# Altium PCB SupBigBrrg_0.PcbDoc (part 25 of 29)
Units mm, origin at the board's own origin, x right, y up, seen from the top; angles counter-clockwise.
Board outline 400 x 344 mm, 6 copper layers (TopLayer, PlaneGnd, PlanePwr, MidLayer3, MidLayer4, BottomLayer); 1288 components, 1323 nets, 5024 pads, 1078 vias.
Unrouted connection lines stored in the file: 1824.
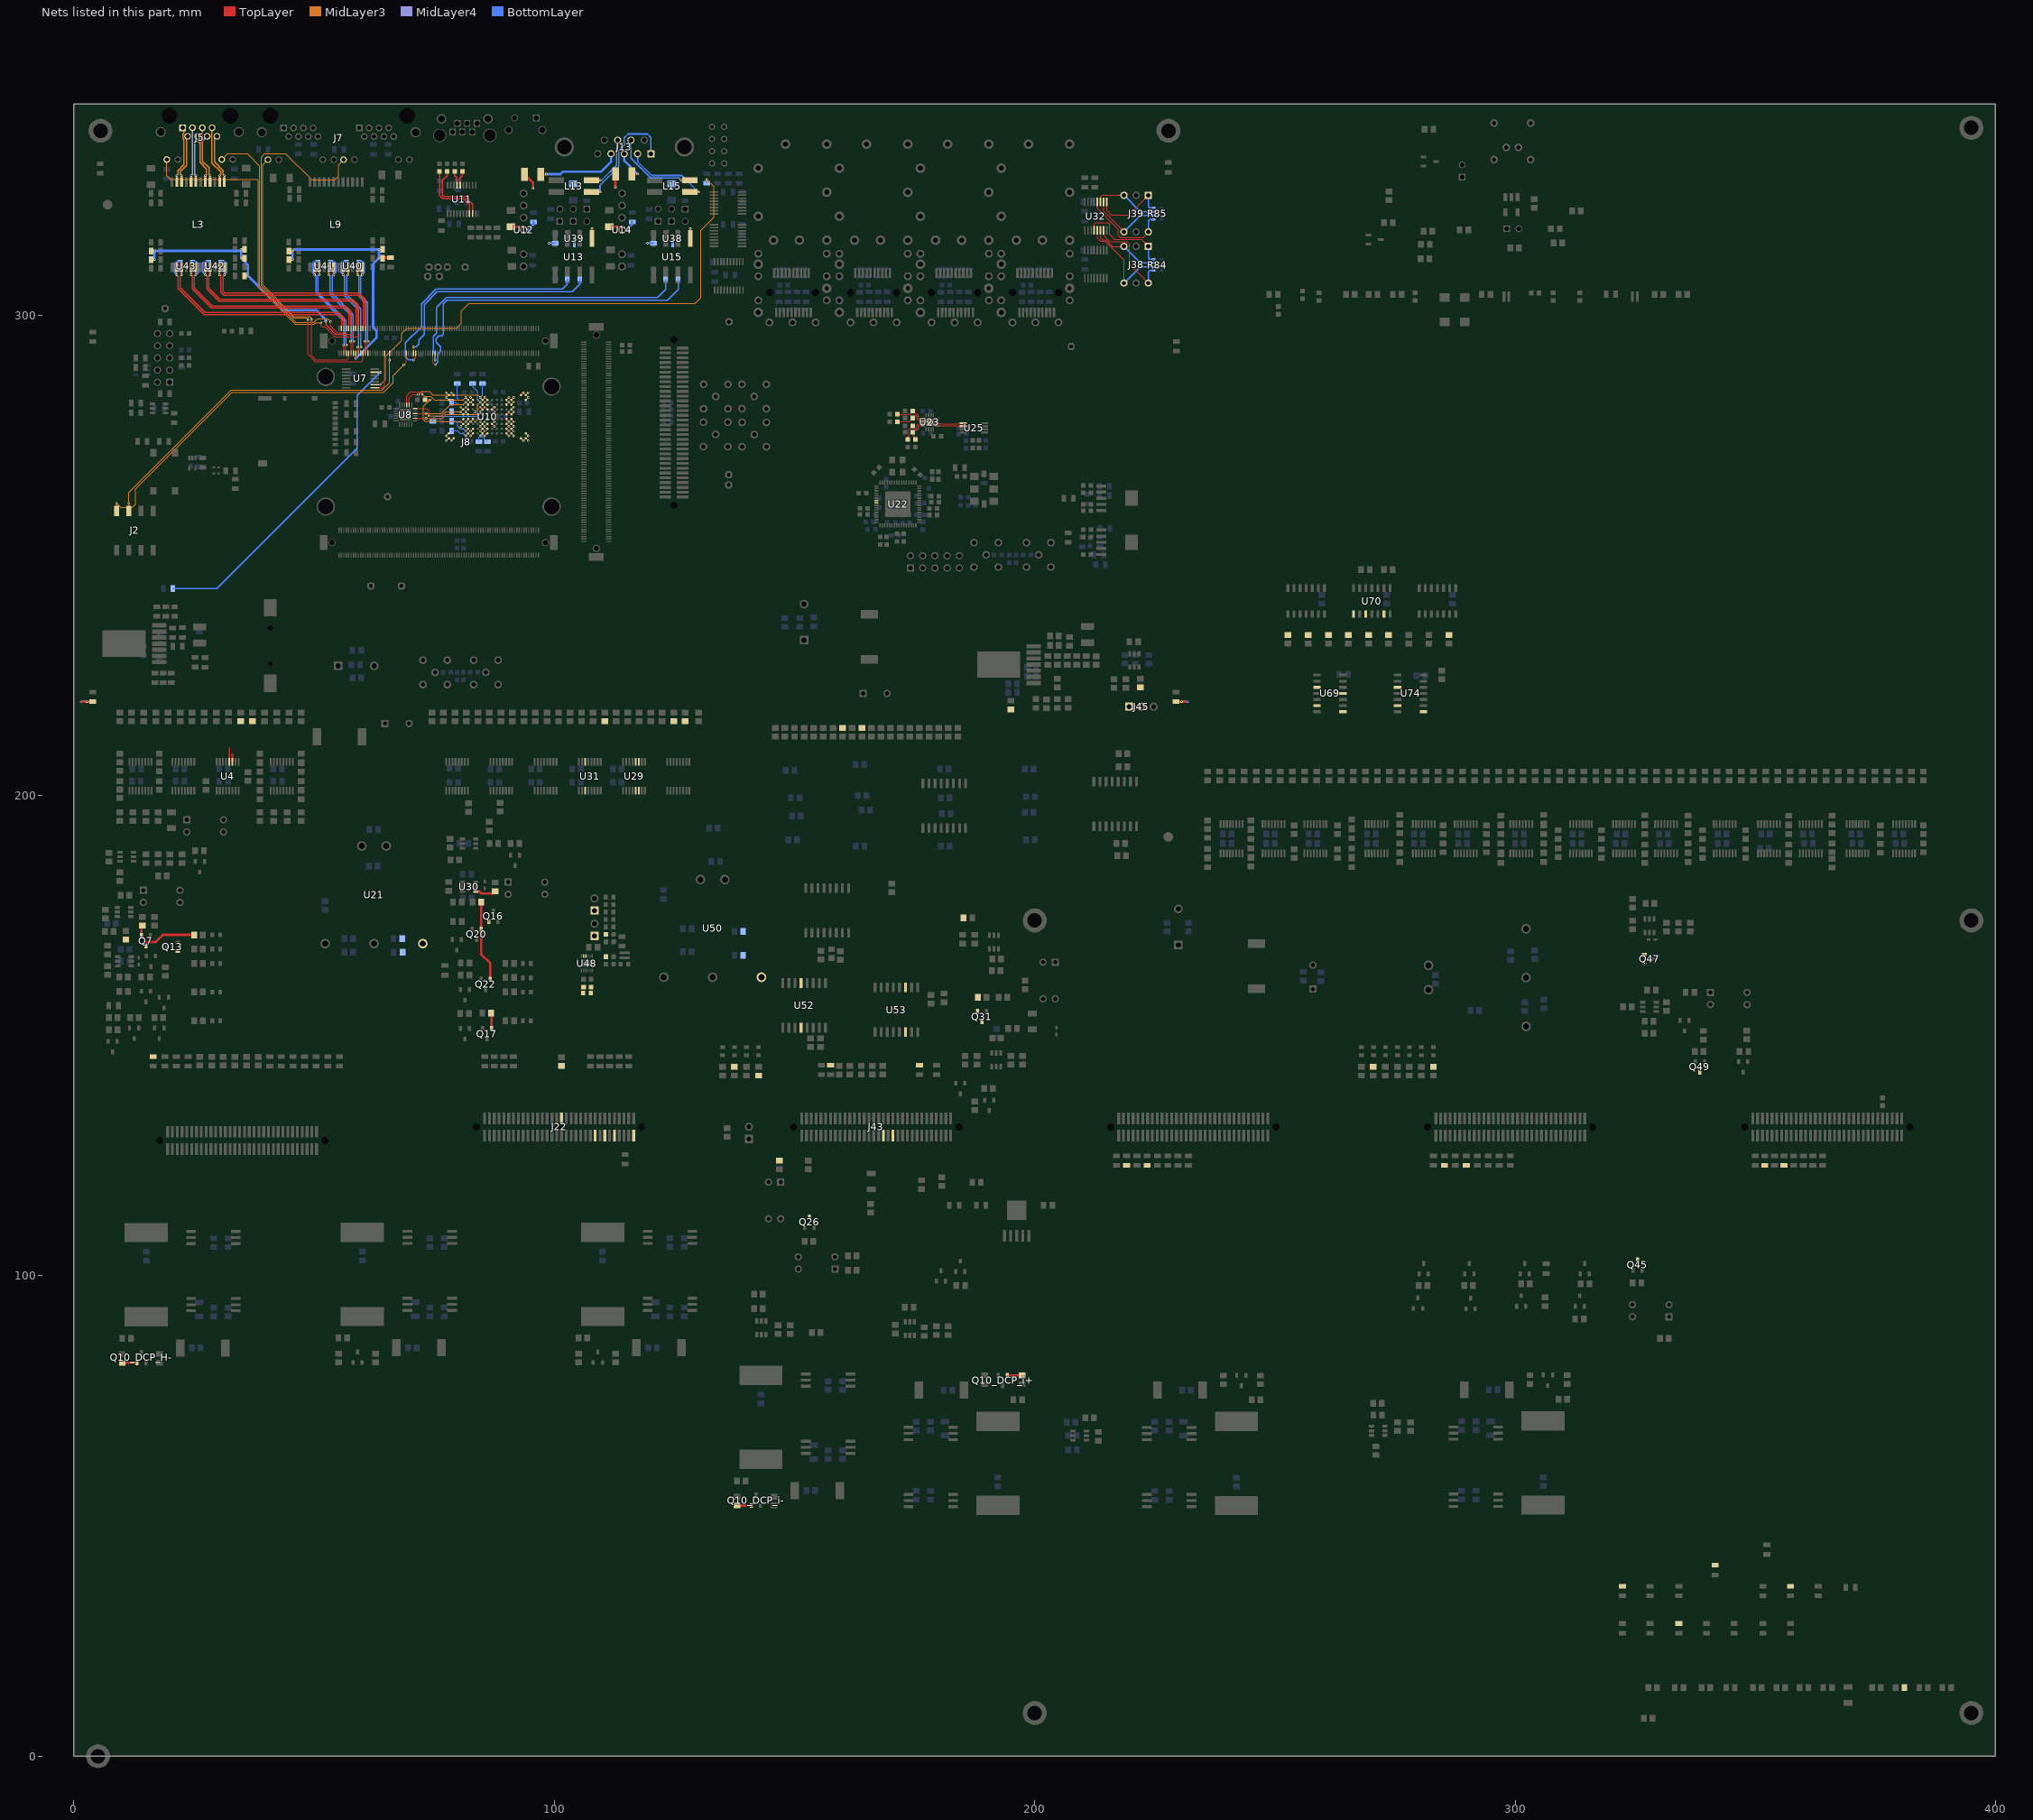
[diagram p29: the nets of this part, all layers, seen from the top]

## Via types
v1: diameter 0.5, hole 0.2, TopLayer to BottomLayer, tented both sides, 972 vias
v2: diameter 1, hole 0.5, TopLayer to BottomLayer, 104 vias
v3: diameter 0.5, hole 0.2, TopLayer to BottomLayer, 2 vias

## Nets (pads, with @x,y where several pads share a name; then routed paths per layer and width w, separated by ;. In a path a pad name is that pad's centre, name@x,y a point inside that pad or via, vN(x,y) a via of type N, cw(c..) or ccw(c..) an arc to the next point about the centre after c; other vN are vias at no path point) (continued)
-7int: L50.2 L95.2 Q26.3 R267.2
-7SL: L57.2 L69.2 L79.2 L84.2 L106.2 Q45.3 R408.2
-18H: C343.2 C344.1 Q7.2 R51.1 R104.2 U21.5 | length 2.2
  TopLayer w0.5: Q7.2@14.05,170.85 14.05,172.75 R104.2@14.25,172.95
-18Hall: L29.2 Q7.3 R114.2 | length 11.4
  TopLayer w0.5: Q7.3@15,168.65 15,169.25 15.25,169.5 17,169.5 18.5,171 R114.2@25.05,171
-18i: C287.2 C292.1 Q31.2 R320.1 R323.2 U50.5
-18int: L47.2 Q31.3 R276.2
-18SL: L55.2 L66.2 L77.2 Q49.3 R386.2
.-7SL: L98.2
\CS: R254.1 U31.14
\CSdds: J22.31 R250.1 U31.3
\En: Q13.1 Q16.1 Q47.1 R260.1 U70.8 U70.13
AQ1_N: C42.1 R58.2 U23.9 | length 6.6
  TopLayer w0.15: C42.1@171.425,279.325 173.925,279.325 R58.2@174.65,280.05 174.725,279.975 174.725,279.95 175.2,279.475 175.485,279.475 175.825,279.135 175.825,278.562 176,278.387 176.088,278.387 176.175,278.475 U23.9@176.7,278.475
AQ1_P: C41.1 R57.2 U23.10 | length 6.6
  TopLayer w0.15: C41.1@171.425,277.875 173.925,277.875 R57.2@174.65,278.6 175.2,279.15 175.35,279.15 175.5,279 175.5,278.428 175.865,278.062 176.088,278.062 176.175,277.975 U23.10@176.7,277.975
BaseAddr0: J38.1 R84.4 U32.4 | length 19.5
  TopLayer w0.15: U32.4@212.4,317.705 212.4,319.05 212.65,319.3 215.25,319.3 215.6,318.95 215.6,316.85 216.622,315.828 222.157,315.828 J38.1@223.665,314.32
  BottomLayer w0.25: J38.1@223.665,314.295 223.665,311.91 223.9,311.675 R84.4@224.725,311.675
BaseAddr1: J38.2 R84.2 U32.5 | length 21.4
  TopLayer w0.15: U32.5@213.05,317.705 213.05,316.1 213.775,315.375 214.672,315.375 218.585,311.462 J38.2@218.585,306.7
  BottomLayer w0.25: J38.2@218.585,306.675 221.985,310.075 R84.2@224.725,310.075
BaseAddr2: J38.4 R84.3 U32.6 | length 14.8
  TopLayer w0.15: U32.6@213.7,317.705 213.7,316.125 214.1,315.725 214.775,315.725 216.18,314.32 J38.4@218.585,314.32
  BottomLayer w0.25: J38.4@218.585,314.295 222.005,310.875 R84.3@224.725,310.875
BaseAddr3: J38.8 R84.1 U32.7 | length 20.4
  TopLayer w0.15: U32.7@214.35,317.705 214.35,316.625 215.65,315.325 219.125,315.325 219.725,314.725 219.725,310.64 J38.8@223.665,306.7
  BottomLayer w0.25: J38.8@223.665,306.675 223.665,308.94 224,309.275 R84.1@224.725,309.275
BaseAddr4: J39.1 R85.4 U32.9 | length 16.1
  TopLayer w0.15: U32.9@215,323.545 215,321.775 215.925,320.85 219.545,320.85 J39.1@223.665,324.97
  BottomLayer w0.25: J39.1@223.665,324.97 223.665,322.585 223.9,322.35 R85.4@224.725,322.35
BaseAddr5: J39.2 R85.2 U32.10 | length 15.5
  TopLayer w0.15: U32.10@214.35,323.545 214.35,321.585 J39.2@218.585,317.35
  BottomLayer w0.25: J39.2@218.585,317.35 221.985,320.75 R85.2@224.725,320.75
BaseAddr6: J39.4 R85.3 U32.11 | length 13.6
  TopLayer w0.15: U32.11@213.7,323.545 213.7,324.6 214.07,324.97 J39.4@218.585,324.97
  BottomLayer w0.25: J39.4@218.585,324.97 222.005,321.55 R85.3@224.725,321.55
BaseAddr7: J39.8 R85.1 U32.12 | length 19.1
  TopLayer w0.15: U32.12@213.05,323.545 213.05,322.2 217.4,317.85 217.4,316.625 217.825,316.2 222.515,316.2 J39.8@223.665,317.35
  BottomLayer w0.25: J39.8@223.665,317.35 223.665,319.615 224,319.95 R85.1@224.725,319.95
BOOT_MODE0: J2.7 J8.A126 | length 73.7
  TopLayer w0.15: v1(65.675,290.675) J8.A126@65.675,292.05
  TopLayer w0.25: J2.7@11.41,259.275 v1(11.41,260.845)
  MidLayer3 w0.15: v1(11.41,260.845) 11.41,263.064 32.771,284.425 57.855,284.425 57.885,284.395 64.145,284.395 65.675,285.925 v1(65.675,290.675)
BOOT_MODE1: J2.8 J8.A112 | length 79.3
  TopLayer w0.15: v1(68.675,289.675) 69.175,290.175 J8.A112@69.175,292.05
  TopLayer w0.25: J2.8@8.87,259.275 v1(8.87,260.845)
  MidLayer3 w0.15: v1(8.87,260.845) 9.715,260 12.125,260 12.825,260.7 12.825,263.807 32.968,283.95 64.45,283.95 66.45,285.95 66.45,287.45 v1(68.675,289.675)
BUSY: R102.1 U4.12 | length 2.9
  TopLayer w0.3: U4.12@32.325,207.071 32.325,209.925
BUSY_i2Host: R288.2 U52.13
BUSYi: J43.30 U52.4
C_REF_N: J22.10 U48.10
C_REF_P: J22.14 U48.11
C_TEST_N: C93.2 J42.1
C_TEST_P: C82.2 J41.1
CAN0_G: J13.3 L14.1 | length 6.3
  TopLayer w0.3: L14.1@116.125,329.4 v1(117.325,329.4)
  BottomLayer w0.5: J13.3@114.565,333.32 114.565,332.16 v1(117.325,329.4)
CAN0_H: J13.7 L15.1 | length 17.6
  TopLayer w0.5: v1(126.375,328.125) L15.1@128.175,328.125
  BottomLayer w0.3: J13.7@115.95,336.16 115.95,332.693 120.068,328.575 125.925,328.575 v1(126.375,328.125)
CAN0_L: J13.2 L15.4 | length 18.4
  TopLayer w0.5: L15.4@128.2,325.625 v1(130,325.625)
  BottomLayer w0.3: J13.2@117.335,333.32 117.335,332.015 120.275,329.075 126.55,329.075 v1(130,325.625)
CAN0_RX: J8.A88 R153.2 | length 64.2
  TopLayer w0.15: v1(75.175,290.675) J8.A88@75.175,292.05
  BottomLayer w0.25: v1(75.175,290.675) 75.175,291.975 74.85,292.3 74.85,295.625 75.45,296.225 75.45,301.612 77.513,303.675 121.525,303.675 123.175,305.325 R153.2@123.175,307.55
CAN0_TX: J8.A90 R148.2 | length 69.5
  TopLayer w0.15: J8.A90@74.675,292.05 74.675,290.175 v1(75.175,289.675)
  BottomLayer w0.25: v1(75.175,289.675) 75.775,290.275 75.775,291.975 76.3,292.5 76.3,293.425 75.375,294.35 75.375,295.175 75.925,295.725 76.6,295.725 76.925,296.05 76.925,302.375 77.625,303.075 123.525,303.075 125.775,305.325 R148.2@125.775,307.6
CAN1_G: J13.4 L12.1 | length 17.1
  TopLayer w0.3: L12.1@97.175,329.35 v1(98.325,329.35)
  BottomLayer w0.5: v1(98.325,329.35) 101.275,329.35 101.825,329.9 109.775,329.9 111.795,331.92 J13.4@111.795,333.32
CAN1_H: J13.8 L13.1 | length 11.8
  TopLayer w0.5: L13.1@107.725,328.125 v1(109.525,328.125)
  BottomLayer w0.3: v1(109.525,328.125) 109.9,328.125 112.95,331.175 112.95,334.725 113.18,334.955 J13.8@113.18,336.44
CAN1_L: J13.1 L13.4 | length 25.1
  TopLayer w0.5: L13.4@107.725,325.625 v1(109.525,325.625)
  BottomLayer w0.3: v1(109.525,325.625) 109.525,327.043 113.45,330.968 113.45,334.325 114.525,335.4 114.525,336.925 115.325,337.725 119.375,337.725 120.105,336.995 J13.1@120.105,333.6 J13.1@120.105,333.32
CAN1_RX: J8.A104 R157.2 | length 49.1
  TopLayer w0.15: v1(70.675,290.675) 71.175,291.175 J8.A104@71.175,292.05
  BottomLayer w0.25: v1(70.675,290.675) 69.65,290.675 69,291.325 69,294.275 72.325,297.6 72.325,302.367 75.383,305.425 101.675,305.425 102.7,306.45 R157.2@102.7,307.55
CAN1_TX: J8.A106 R156.2 | length 46.7
  TopLayer w0.15: J8.A106@70.675,292.05 v1(70.675,293.4)
  BottomLayer w0.25: v1(70.675,293.4) 71.2,293.4 71.775,293.975 71.775,294.825 72.9,295.95 72.9,302.2 75.6,304.9 103.7,304.9 105.3,306.5 R156.2@105.3,307.6
CAN_GND_U_can_phy1: C30.1 C170.1 C171.1 C173.1 L12.2 U12.4 U13.5 U39.3 | length 15.2
  TopLayer w0.3: U13.5@107.825,315.95 U13.5@107.825,315.975 v1@107.825,317.975
  TopLayer w0.5: C30.1@90.95,318.425 92.954,318.425 U12.4@93.624,317.755 ; L12.2@93.775,329.35 95.55,327.575 v1(95.55,326.375)
  BottomLayer w0.3: v1(98.9,315) C171.1@100.2,315 ; v1(103.95,326.25) C170.1@103.95,327.325 ; U39.3@104.15,314.725 v1(104.15,315.85)
  BottomLayer w0.5: U12.4@93.624,317.755 94.555,317.755 95.65,318.85 C173.1@95.65,319.4
  other v1: 107.825,318.025
CAN_GND_U_can_phy2: C33.1 C165.1 C166.1 C168.1 L14.2 U14.4 U15.5 U38.3 | length 14.3
  TopLayer w0.3: U15.5@128.3,315.95 U15.5@128.3,315.975 v1@128.3,317.975
  TopLayer w0.5: C33.1@111.425,318.425 113.429,318.425 U14.4@114.099,317.755 ; v1(112.725,326.6) L14.2@112.725,329.4
  BottomLayer w0.3: v1(119.375,315) C166.1@120.675,315 ; v1(124.425,326.25) C165.1@124.425,327.325 ; U38.3@124.625,314.725 v1(124.625,315.85)
  BottomLayer w0.5: U14.4@114.099,317.755 115.03,317.755 116.125,318.85 C168.1@116.125,319.4
  other v1: 128.3,318.025
ChasisGND: R2.2 | length 3.4
  TopLayer w0.5: 1.8,219.55 v1(2.725,219.55) R2.2@3.925,219.55
  BottomLayer w0.5: 1.475,219.55 v1(2.725,219.55)
ChasisGND_T: R80.2@229.4,219.55 | length 3.4
  TopLayer w0.5: R80.2@229.425,219.55 231.55,219.55
  BottomLayer w0.5: v1(230.6,219.55) 231.85,219.55
CLK_MODE: R248.1 U29.12
CLK_MODE_dds: J22.18 U29.5
Clock_dDCP+: U69.8
Clock_dDCP-: U69.11
Clock_hDCP-: Q10_DCP_H-.1 R19_DCP_H-.2 U74.3 | length 3.1
  TopLayer w0.5: R19_DCP_H-.2@10.05,81.95 10.1,81.9 Q10_DCP_H-.1@13.1,81.9
Clock_iDCP+: Q10_DCP_i+.1 R19_DCP_i+.2 U69.3 | length 3.1
  TopLayer w0.5: Q10_DCP_i+.1@194.3,79.315 197.3,79.315 R19_DCP_i+.2@197.35,79.265
Clock_iDCP-: Q10_DCP_i-.1 R19_DCP_i-.2 U69.6 | length 3.1
  TopLayer w0.5: R19_DCP_i-.2@138,52.25 138.05,52.2 Q10_DCP_i-.1@141.05,52.2
Clock_sDCP+: U74.6
Clock_sDCP-: U74.8
CMP_CLK_N: U23.2 U25.5 | length 5.6
  TopLayer w0.15: U23.2@179.6,277.475 180.125,277.475 180.238,277.362 184.113,277.362 184.275,277.525 U25.5@185.1,277.525
CMP_CLK_P: U23.1 U25.6 | length 5.6
  TopLayer w0.15: U23.1@179.6,276.975 180.125,276.975 180.188,277.037 184.113,277.037 184.275,276.875 U25.6@185.1,276.875
CNV: R103.1 U4.11 | length 1.5
  TopLayer w0.3: U4.11@32.975,207.071 32.975,208.575
CNV_Host2i: R293.2 U53.3
CNVi: J43.26 U53.14
COM_CTS_DEV_O: R38.1 U11.8 | length 13.9
  TopLayer w0.25: R38.1@76.11,329.903 76.11,324.91 76.76,324.26 81.135,324.26 82.335,323.06 U11.8@82.335,321.16
COM_RTS_DEV_I: R40.1 U11.9 | length 14.3
  TopLayer w0.25: R40.1@77.685,329.903 77.685,329.06 76.73,328.105 76.73,324.993 76.993,324.73 81.393,324.73 82.985,323.138 U11.9@82.985,321.16
COM_RX_DEV_O: R41.1 U11.17 | length 3
  TopLayer w0.25: R41.1@79.26,329.903 79.26,329.11 79.735,328.635 U11.17@79.735,327.06
COM_TX_DEV_I: R42.1 U11.16 | length 3
  TopLayer w0.25: U11.16@80.385,327.06 80.385,328.61 80.835,329.06 R42.1@80.835,329.903
D_POK: C73.1 Q17.1 Q20.1 Q22.1 R215.2 R232.1 R810.2 U30.1 | length 24.5
  TopLayer w0.5: U30.1@83.654,180.05 84.35,180.05 84.8,179.6 87.2,179.6 R232.1@87.7,180.1 ; R215.2@84.8,177.8 84.75,177.75 Q20.1@84.75,172.2 84.75,166.95 86.65,165.05 Q22.1@86.65,161.8 ; C73.1@86.8,154.7 86.95,154.55 Q17.1@86.95,151.5
DCP_Clk: R365.2 R370.2 R372.2 R377.2 R385.2 R392.2 R413.2 U70.10
DDS_CLK_N: C79.1 R258.1 U22.23
DDS_CLK_P: C76.1 R258.2 U22.24
EMMC_CLK: R37.2 U10.P6 | length 14.4
  TopLayer w0.15: R37.2@73.05,282.375 v1(74.1,282.375) ; v1(80.55,277.875) U10.P6@81.05,278.375
  MidLayer3 w0.15: v1(74.1,282.375) 72.725,281 72.725,278.25 72.995,277.98 76.395,277.98 76.5,277.875 v1(80.55,277.875)
EMMC_CMD: R171.2 U8.12 U10.P5 | length 13.8
  TopLayer w0.15: U8.12@71.025,280.55 73.525,280.55 73.9,280.175 v1(73.9,279.05) ; v1(80.55,279.875) U10.P5@81.05,279.375
  MidLayer3 w0.15: v1(73.9,279.05) 76.575,279.05 77.4,279.875 v1(80.55,279.875)
  BottomLayer w0.15: R171.2@78.6,279.925 80.5,279.925 v1(80.55,279.875)
EMMC_D0: R164.2 U8.14 U10.K2 | length 21.1
  TopLayer w0.15: U8.14@69.775,281.3 69.775,282.725 70.525,283.475 v1(71.675,283.475) ; v1(84.55,282.875) U10.K2@85.05,282.375
  MidLayer3 w0.15: v1(71.675,283.475) 72.325,284.125 73.925,284.125 74.675,283.375 84.05,283.375 v1(84.55,282.875)
  BottomLayer w0.15: v1(84.55,282.875) 85.05,283.375 R164.2@85.05,285.775
EMMC_D1: R167.2 U8.15 U10.N2 | length 21.3
  TopLayer w0.15: U8.15@69.275,281.3 69.275,283.225 70.05,284 72.025,284 v1(72.5,283.525) ; v1(81.55,282.875) U10.N2@82.05,282.375
  MidLayer3 w0.15: v1(72.5,283.525) 72.9,283.125 74.275,283.125 75.025,282.375 81.05,282.375 v1(81.55,282.875)
  BottomLayer w0.15: R167.2@79.75,285.775 79.75,282.7 80.075,282.375 81.05,282.375 v1(81.55,282.875)
EMMC_D2: R166.2 U8.8 U10.K3 | length 21.2
  TopLayer w0.15: U8.8@71.025,278.55 v1(73.275,278.55) ; v1(84.55,281.875) U10.K3@85.05,281.375
  MidLayer3 w0.15: v1(73.275,278.55) 76.625,278.55 77.45,279.375 83.875,279.375 84.062,279.562 84.062,279.662 84.055,279.67 84.055,281.38 v1(84.55,281.875)
  BottomLayer w0.15: R166.2@83,285.775 83,285.175 84.045,284.13 84.045,282.38 v1(84.55,281.875)
EMMC_D3: R172.2 U8.10 U10.N3 | length 15.6
  TopLayer w0.15: U8.10@71.025,279.55 v1(73.275,279.55) ; v1(81.55,281.875) U10.N3@82.05,281.375
  MidLayer3 w0.15: v1(73.275,279.55) 76.55,279.55 78.375,281.375 81.05,281.375 v1(81.55,281.875)
  BottomLayer w0.15: R172.2@78.6,281.925 79.4,281.925 79.945,281.38 81.055,281.38 v1(81.55,281.875)
EMMC_D4: R163.2 U10.K8 | length 3.6
  TopLayer w0.15: v1(84.55,275.875) U10.K8@85.05,276.375
  BottomLayer w0.15: v1(84.55,275.875) 85.05,275.375 85.05,274.675 86.05,273.675 R163.2@86.125,273.675
EMMC_D5: R170.2 U10.N8 | length 5
  TopLayer w0.15: v1(81.55,275.875) U10.N8@82.05,276.375
  BottomLayer w0.15: R170.2@78.6,277.925 79.6,277.925 79.9,277.625 79.9,276.825 80.345,276.38 81.045,276.38 v1(81.55,275.875)
EMMC_D6: R169.2 U10.N9 | length 4.1
  TopLayer w0.15: v1(81.55,274.875) U10.N9@82.05,275.375
  BottomLayer w0.15: R169.2@78.6,275.925 79.775,275.925 80.325,275.375 81.05,275.375 v1(81.55,274.875)
EMMC_D7: R165.2 U10.K9 | length 2
  TopLayer w0.15: v1(84.55,274.875) U10.K9@85.05,275.375
  BottomLayer w0.15: R165.2@84.325,273.675 84.325,274.65 v1(84.55,274.875)
EMMC_DS: R175.2 U10.K5 | length 11.9
  TopLayer w0.15: v1(84.55,279.875) U10.K5@85.05,279.375
  BottomLayer w0.15: R175.2@74.75,277.875 74.75,278.475 75.225,278.95 83.925,278.95 84.55,279.575 v1(84.55,279.875)
EMMC_RFU1: U10.A1 | length 0.7
  TopLayer w0.15: U10.A1@94.05,283.375 v1(94.55,283.875)
EMMC_RFU2: U10.A2 | length 0.7
  TopLayer w0.15: U10.A2@94.05,282.375 v1(94.55,282.875)
EMMC_RFU3: U10.A9 | length 0.7
  TopLayer w0.15: U10.A9@94.05,275.375 v1(94.55,274.875)
EMMC_RFU4: U10.A10 | length 0.7
  TopLayer w0.15: U10.A10@94.05,274.375 v1(94.55,273.875)
EMMC_RFU5: U10.B1 | length 0.7
  TopLayer w0.15: U10.B1@93.05,283.375 v1(93.55,283.875)
EMMC_RFU6: U10.B10 | length 0.7
  TopLayer w0.15: U10.B10@93.05,274.375 v1(93.55,273.875)
EMMC_RFU7: U10.T1 | length 0.7
  TopLayer w0.15: v1(78.55,283.875) U10.T1@79.05,283.375
EMMC_RFU8: U10.T10 | length 0.7
  TopLayer w0.15: v1(78.55,273.875) U10.T10@79.05,274.375
EMMC_RFU9: U10.U1 | length 0.7
  TopLayer w0.15: v1(77.55,283.875) U10.U1@78.05,283.375
EMMC_RFU10: U10.U2 | length 0.7
  TopLayer w0.15: v1(77.55,282.875) U10.U2@78.05,282.375
EMMC_RFU11: U10.U9 | length 0.7
  TopLayer w0.15: v1(77.55,274.875) U10.U9@78.05,275.375
EMMC_RFU12: U10.U10 | length 0.7
  TopLayer w0.15: v1(77.55,273.875) U10.U10@78.05,274.375
EMMC_RFU13: U10.D2 | length 0.7
  TopLayer w0.15: U10.D2@91.05,282.375 v1(91.55,282.875)
EMMC_RFU14: U10.D3 | length 0.7
  TopLayer w0.15: U10.D3@91.05,281.375 v1(91.55,281.875)
EMMC_RFU15: U10.D4 | length 0.7
  TopLayer w0.15: U10.D4@91.05,280.375 v1(91.55,280.875)
EMMC_RFU16: U10.D5 | length 0.7
  TopLayer w0.15: U10.D5@91.05,279.375 v1(91.55,279.875)
EMMC_RFU17: U10.D6 | length 0.7
  TopLayer w0.15: U10.D6@91.05,278.375 v1(91.55,277.875)
EMMC_RFU18: U10.D7 | length 0.7
  TopLayer w0.15: U10.D7@91.05,277.375 v1(91.55,276.875)
EMMC_RFU19: U10.D8 | length 0.7
  TopLayer w0.15: U10.D8@91.05,276.375 v1(91.55,275.875)
EMMC_RFU20: U10.D9 | length 0.7
  TopLayer w0.15: U10.D9@91.05,275.375 v1(91.55,274.875)
EMMC_RFU21: U10.E2 | length 0.7
  TopLayer w0.15: U10.E2@90.05,282.375 v1(90.55,282.875)
EMMC_RFU22: U10.E3 | length 0.7
  TopLayer w0.15: U10.E3@90.05,281.375 v1(90.55,281.875)
EMMC_RFU23: U10.E5 | length 0.7
  TopLayer w0.15: U10.E5@90.05,279.375 v1(90.55,279.875)
EMMC_RFU24: U10.E6 | length 0.7
  TopLayer w0.15: U10.E6@90.05,278.375 v1(90.55,277.875)
EMMC_RFU25: U10.E7 | length 0.7
  TopLayer w0.15: U10.E7@90.05,277.375 v1(90.55,276.875)
EMMC_RFU26: U10.E8 | length 0.7
  TopLayer w0.15: U10.E8@90.05,276.375 v1(90.55,275.875)
EMMC_RFU27: U10.E9 | length 0.7
  TopLayer w0.15: U10.E9@90.05,275.375 v1(90.55,274.875)
EMMC_RFU28: U10.H5 | length 0.7
  TopLayer w0.15: U10.H5@87.05,279.375 v1(87.55,279.875)
EMMC_RFU29: U10.H6 | length 0.7
  TopLayer w0.15: U10.H6@87.05,278.375 v1(87.55,277.875)
EMMC_RFU30: U10.H7 | length 0.7
  TopLayer w0.15: U10.H7@87.05,277.375 v1(87.55,276.875)
EMMC_RFU31: U10.J2 | length 0.7
  TopLayer w0.15: v1(85.55,282.875) U10.J2@86.05,282.375
EMMC_RFU32: U10.J3 | length 0.7
  TopLayer w0.15: v1(85.55,281.875) U10.J3@86.05,281.375
EMMC_RFU33: U10.J4 | length 0.7
  TopLayer w0.15: v1(85.55,280.875) U10.J4@86.05,280.375
EMMC_RFU34: U10.J6 | length 0.7
  TopLayer w0.15: v1(85.55,277.875) U10.J6@86.05,278.375
EMMC_RFU35: U10.J7 | length 0.7
  TopLayer w0.15: v1(85.55,276.875) U10.J7@86.05,277.375
EMMC_RFU36: U10.J8 | length 0.7
  TopLayer w0.15: v1(85.55,275.875) U10.J8@86.05,276.375
EMMC_RFU37: U10.J9 | length 0.7
  TopLayer w0.15: v1(85.55,274.875) U10.J9@86.05,275.375
EMMC_RFU38: U10.K4 | length 0.7
  TopLayer w0.15: v1(84.55,280.875) U10.K4@85.05,280.375
EMMC_RFU39: U10.K6 | length 0.7
  TopLayer w0.15: v1(84.55,277.875) U10.K6@85.05,278.375
EMMC_RFU40: U10.K7 | length 0.7
  TopLayer w0.15: v1(84.55,276.875) U10.K7@85.05,277.375
EMMC_RFU41: U10.L5 | length 0.7
  TopLayer w0.15: v1(83.55,279.875) U10.L5@84.05,279.375
EMMC_RFU42: U10.L6 | length 0.7
  TopLayer w0.15: v1(83.55,277.875) U10.L6@84.05,278.375
EMMC_RFU43: U10.M2 | length 0.7
  TopLayer w0.15: v1(82.55,282.875) U10.M2@83.05,282.375
EMMC_RFU44: U10.M3 | length 0.7
  TopLayer w0.15: v1(82.55,281.875) U10.M3@83.05,281.375
EMMC_RFU45: U10.M6 | length 0.7
  TopLayer w0.15: v1(82.55,277.875) U10.M6@83.05,278.375
EMMC_RFU46: U10.M8 | length 0.7
  TopLayer w0.15: v1(82.55,275.875) U10.M8@83.05,276.375
EMMC_RFU47: U10.M9 | length 0.7
  TopLayer w0.15: v1(82.55,274.875) U10.M9@83.05,275.375
EMMC_RFU48: U10.N4 | length 0.7
  TopLayer w0.15: v1(81.55,280.875) U10.N4@82.05,280.375
EMMC_RFU49: U10.N5 | length 0.7
  TopLayer w0.15: v1(81.55,279.875) U10.N5@82.05,279.375
EMMC_RFU50: U10.N6 | length 0.7
  TopLayer w0.15: v1(81.55,277.875) U10.N6@82.05,278.375
EMMC_RFU51: U10.N7 | length 0.7
  TopLayer w0.15: v1(81.55,276.875) U10.N7@82.05,277.375
EMMC_RFU52: U10.P4 | length 0.7
  TopLayer w0.15: v1(80.55,280.875) U10.P4@81.05,280.375
EMMC_RFU53: U10.P7 | length 0.7
  TopLayer w0.15: v1(80.55,276.875) U10.P7@81.05,277.375
EMMC_RFU54: U10.H4 | length 0.7
  TopLayer w0.15: U10.H4@87.05,280.375 v1(87.55,280.875)
EN_3V3: J45.1 R192.2 U7.6 | length 69.6
  TopLayer w0.15: U7.6@62.56,288.14 v1(63.84,288.14)
  BottomLayer w0.25: R192.2@20.6,243.125 29.775,243.125 58.95,272.3 58.95,283.25 v1(63.84,288.14)
EnAmp: R245.1 U29.11
EnAmp_dds: J22.2 U29.6
ETH0_A_N: J8.A163 L3.3 U43.1 | length 44.3
  TopLayer w0.25: L3.3@22.39,310 v1(22.39,308.425) 22.108,308.143 22.108,305.744 27.301,300.55 55.101,300.55 56.138,299.514 56.138,297.962 56.175,297.925 J8.A163@56.175,297.25
  BottomLayer w0.25: U43.1@22.08,309.335 22.39,309.025 v1(22.39,308.425)
ETH0_A_P: J8.A165 L3.2 U43.3 | length 47.2
  TopLayer w0.25: L3.2@21.4,310 v1(21.4,308.425) 21.683,308.143 21.683,305.567 27.125,300.125 54.925,300.125 55.713,299.338 55.713,297.962 55.675,297.925 J8.A165@55.675,297.25
  BottomLayer w0.25: v1(21.4,308.425) 20.915,308.91 20.915,310.785 21.365,311.235 U43.3@22.08,311.235
ETH0_B_N: J8.A157 L3.6 U43.4 | length 46.6
  TopLayer w0.25: L3.6@25.36,310 v1(25.36,308.425) 25.078,308.143 25.078,305.624 28.776,301.925 56.601,301.925 57.638,300.889 57.638,297.962 57.675,297.925 J8.A157@57.675,297.25
  BottomLayer w0.25: U43.4@24.68,311.235 25.395,311.235 25.845,310.785 25.845,308.91 v1(25.36,308.425)
ETH0_B_P: J8.A159 L3.5 U43.6 | length 43.7
  TopLayer w0.25: L3.5@24.37,310 v1(24.37,308.425) 24.653,308.143 24.653,305.447 28.6,301.5 56.425,301.5 57.213,300.713 57.213,297.962 57.175,297.925 J8.A159@57.175,297.25
  BottomLayer w0.25: v1(24.37,308.425) 24.37,309.085 24.62,309.335 U43.6@24.68,309.335
ETH0_C_N: J8.A151 L3.9 U42.1 | length 43
  TopLayer w0.25: L3.9@28.33,310 v1(28.33,308.425) 28.048,308.143 28.048,305.627 30.35,303.325 57.976,303.325 59.138,302.164 59.138,297.962 59.175,297.925 J8.A151@59.175,297.25
  BottomLayer w0.25: U42.1@28.02,309.335 28.33,309.025 v1(28.33,308.425)
ETH0_C_P: J8.A153 L3.8 U42.3 | length 45.9
  TopLayer w0.25: L3.8@27.34,310 v1(27.34,308.425) 27.623,308.143 27.623,305.451 30.174,302.9 57.8,302.9 58.713,301.988 58.713,297.962 58.675,297.925 J8.A153@58.675,297.25
  BottomLayer w0.25: v1(27.34,308.425) 26.855,308.91 26.855,310.785 27.305,311.235 U42.3@28.02,311.235
ETH0_CTREF: C19.2 J8.A155 L2.2 L5.2 L6.2 L7.2@16.06,311.585 | length 58.2
  TopLayer w0.25: L7.2@16.06,311.585 v1(16.785,311.585) ; L2.2@16.06,313.385 v1(16.785,313.385) ; v1(34.785,311.885) L5.2@35.51,311.885 ; v1(34.785,313.685) L6.2@35.51,313.685 ; C19.2@35.51,308.185 v1(36.235,308.185) ; v1(52.425,298.675) 52.425,298.027 54.502,295.95 57.725,295.95 58.175,296.4 J8.A155@58.175,297.25
  BottomLayer w0.5: v1(16.785,311.585) v1(16.785,313.385) 34.785,313.385 ; v1(34.785,313.685) 34.785,313.385 ; v1(52.425,298.675) 52.425,299.075 50.45,301.05 43.37,301.05 v1(36.235,308.185) 36.235,310.435 v1(34.785,311.885) 34.785,313.385
ETH0_D_N: J8.A145 L3.12 U42.4 | length 45.5
  TopLayer w0.25: L3.12@31.3,310 v1(31.3,308.425) 31.018,308.143 31.018,304.957 31.375,304.6 59.35,304.6 60.638,303.313 60.638,297.962 60.675,297.925 J8.A145@60.675,297.25
  BottomLayer w0.25: U42.4@30.62,311.235 31.335,311.235 31.785,310.785 31.785,308.91 v1(31.3,308.425)
ETH0_D_P: J8.A147 L3.11 U42.6 | length 42.6
  TopLayer w0.25: L3.11@30.31,310 v1(30.31,308.425) 30.593,308.143 30.593,304.781 31.199,304.175 59.174,304.175 60.213,303.136 60.213,297.962 60.175,297.925 J8.A147@60.175,297.25
  BottomLayer w0.25: v1(30.31,308.425) 30.31,309.085 30.56,309.335 U42.6@30.62,309.335
ETH0_J1_N: J5.2 L3.22 | length 10.3
  TopLayer w0.3: L3.22@22.39,327.7 v1(22.39,329.065)
  MidLayer3 w0.25: v1(22.39,329.065) 22.147,329.308 22.147,329.9 23.4,331.153 23.4,336.995 J5.2@23.65,337.245
ETH0_J1_P: J5.1 L3.23 | length 12.3
  TopLayer w0.3: L3.23@21.4,327.7 v1(21.4,329.065)
  MidLayer3 w0.25: v1(21.4,329.065) 21.643,329.308 21.643,330.109 22.896,331.362 22.896,336.592 22.655,336.833 22.655,337.657 22.896,337.898 22.896,338.759 J5.1@22.63,339.025
ETH0_J2_N: J5.6 L3.19 | length 11.4
  TopLayer w0.3: L3.19@25.36,327.7 v1(25.36,329.065)
  MidLayer4 w0.25: v1(25.36,329.065) 25.117,329.308 25.117,335.85 25.417,336.15 26.635,336.15 J5.6@27.73,337.245
ETH0_J2_P: J5.3 L3.20 | length 11.4
  TopLayer w0.3: L3.20@24.37,327.7 v1(24.37,329.065)
  MidLayer4 w0.25: v1(24.37,329.065) 24.613,329.308 24.613,336.359 24.67,336.416 J5.3@24.67,339.025
ETH0_J3_N: J5.5 L3.16 | length 12
  TopLayer w0.3: L3.16@28.33,327.7 v1(28.33,329.065)
  MidLayer3 w0.25: J5.5@26.71,339.025 26.71,332.061 28.087,330.684 28.087,329.308 v1(28.33,329.065)
ETH0_J3_P: J5.4 L3.17 | length 10.4
  TopLayer w0.3: L3.17@27.34,327.7 v1(27.34,329.065)
  MidLayer3 w0.25: J5.4@25.69,337.245 25.69,336.335 26.206,335.819 26.206,331.852 27.583,330.475 27.583,329.308 v1(27.34,329.065)
ETH0_J4_N: J5.8 L3.13 | length 10.6
  TopLayer w0.3: L3.13@31.3,327.7 v1(31.3,329.065)
  MidLayer3 w0.25: J5.8@29.77,337.245 29.229,336.704 29.229,331.912 31.057,330.084 31.057,329.308 v1(31.3,329.065)
ETH0_J4_P: J5.7 L3.14 | length 12.2
  TopLayer w0.3: L3.14@30.31,327.7 v1(30.31,329.065)
  MidLayer3 w0.25: J5.7@28.75,339.025 28.725,339 28.725,331.703 30.553,329.875 30.553,329.308 v1(30.31,329.065)
ETH0_LED1: J5.9 J8.A149 | length 72.2
  TopLayer w0.15: v1@51.4,298.3 51.4,297.875 51.675,297.6 52.225,297.6 54.3,295.525 58.9,295.525 59.675,296.3 J8.A149@59.675,297.25
  MidLayer3 w0.15: J5.9@19.33,332.415 19.33,329.045 20.1,328.275 38.05,328.275 38.35,327.975 38.35,305.881 46.056,298.175 50.035,298.175 50.26,298.4 v1(51.4,298.4)
ETH0_LED2: J5.11 J8.A161 | length 58.5
  TopLayer w0.15: v1(53.425,298.675) 53.425,297.725 54.825,296.325 56.55,296.325 56.675,296.45 J8.A161@56.675,297.25
  MidLayer3 w0.15: J5.11@30.76,332.415 31.945,333.6 36.075,333.6 38.675,331 38.675,306.015 46.19,298.5 49.9,298.5 50.675,299.275 52.825,299.275 v1(53.425,298.675)
ETH1_CTREF: C29.2 J8.A154 L7.2@44.755,311.585 L8.2 L10.2 L11.2 | length 50.8
  TopLayer w0.25: L7.2@44.755,311.585 v1(45.48,311.585) ; L8.2@44.755,313.385 v1(45.48,313.385) ; v1(58.675,291) J8.A154@58.675,292.05 ; v1(63.48,311.885) L10.2@64.205,311.885 ; v1(63.48,313.685) L11.2@64.205,313.685
  TopLayer w0.5: L10.2@64.205,311.885 64.295,311.975 C29.2@65.8,311.975
  BottomLayer w0.5: v1(45.48,311.585) v1(45.48,313.385) 45.78,313.685 v1(63.48,313.685) v1(63.48,311.885) 63.48,311.855 62.275,310.65 62.275,297.45 63,296.725 63,295.325 v1(58.675,291)
ETH1_LED1: J7.9B J8.A160 | length 56.6
  TopLayer w0.15: v1(49.425,299.125) 49.425,291.61 50.335,290.7 56.875,290.7 57.175,291 J8.A160@57.175,292.05
  MidLayer3 w0.15: J7.9B@40.365,332.375 39.325,331.335 39.325,306.285 45.835,299.775 49.1,299.775 49.4,299.475 49.4,299.15 v1(49.425,299.125)
ETH1_LED2: J7.9A J8.A148 | length 83
  TopLayer w0.15: v1(48.675,299.125) 48.675,291.9 50.2,290.375 59.85,290.375 60.175,290.7 J8.A148@60.175,292.05
  MidLayer3 w0.15: v1(48.675,299.125) 48.35,299.45 45.7,299.45 39,306.15 39,332.9 39.725,333.625 44.05,333.625 49.5,328.175 54.35,328.175 55.075,328.9 55.075,331.335 J7.9A@56.115,332.375
ETH1A_RX_N: J8.A156 L9.6 U41.4 | length 23.9
  TopLayer w0.15: J8.A156@58.175,292.05 58.175,292.675 58.127,292.723 58.127,294.442 v1(58.26,294.575)
  TopLayer w0.25: v1(54.055,308.425) L9.6@54.055,310
  BottomLayer w0.25: U41.4@53.375,311.235 54.09,311.235 54.54,310.785 54.54,308.91 v1(54.055,308.425) 53.775,308.145 53.775,304.501 58.138,300.139 58.138,294.697 v1(58.26,294.575)
ETH1A_RX_P: J8.A158 L9.5 U41.6 | length 21.1
  TopLayer w0.15: v1(57.59,294.575) 57.723,294.442 57.723,292.723 57.675,292.675 J8.A158@57.675,292.05
  TopLayer w0.25: v1(53.065,308.425) L9.5@53.065,310
  BottomLayer w0.25: U41.6@53.375,309.335 53.315,309.335 53.065,309.085 v1(53.065,308.425) 53.35,308.14 53.35,304.325 57.713,299.963 57.713,294.697 v1(57.59,294.575)
ETH1A_TX_N: J8.A162 L9.3 U41.1 | length 21.6
  TopLayer w0.15: v1@56.627,293.667 56.627,292.723 56.675,292.675 J8.A162@56.675,292.05 ; v1@56.627,293.692 v1(56.76,293.825)
  TopLayer w0.25: v1(51.085,308.425) L9.3@51.085,310
  BottomLayer w0.25: U41.1@50.775,309.335 51.085,309.025 v1(51.085,308.425) 50.803,308.143 50.803,304.749 56.638,298.914 56.638,293.947 v1(56.76,293.825)
ETH1A_TX_P: J8.A164 L9.2 U41.3 | length 24.5
  TopLayer w0.15: v1(56.09,293.825) v1@56.223,293.692 ; J8.A164@56.175,292.05 56.175,292.675 56.223,292.723 v1@56.223,293.667
  TopLayer w0.25: v1(50.095,308.425) L9.2@50.095,310
  BottomLayer w0.25: U41.3@50.775,311.235 50.06,311.235 49.61,310.785 49.61,308.91 v1(50.095,308.425) 50.378,308.143 50.378,304.572 56.213,298.738 56.213,293.947 v1(56.09,293.825)
ETH1B_RX_N: J8.A144 L9.12 U40.4 | length 22.7
  TopLayer w0.15: J8.A144@61.175,292.05 61.175,292.675 61.127,292.723 61.127,294.442 v1(61.26,294.575)
  TopLayer w0.25: v1(59.995,308.425) L9.12@59.995,310
  BottomLayer w0.25: U40.4@59.315,311.235 60.03,311.235 60.48,310.785 60.48,308.91 v1(59.995,308.425) 59.713,308.143 59.713,304.089 61.138,302.664 61.138,294.697 v1(61.26,294.575)
ETH1B_RX_P: J8.A146 L9.11 U40.6 | length 19.8
  TopLayer w0.15: v1(60.59,294.575) 60.723,294.442 60.723,292.723 60.675,292.675 J8.A146@60.675,292.05
  TopLayer w0.25: v1(59.005,308.425) L9.11@59.005,310
  BottomLayer w0.25: 59.288,307.624 59.288,303.912 60.713,302.488 60.713,294.697 v1(60.59,294.575) ; 59.288,307.65 59.288,308.143 v1(59.005,308.425) 59.005,309.085 59.255,309.335 U40.6@59.315,309.335
ETH1B_TX_N: J8.A150 L9.9 U40.1 | length 20.4
  TopLayer w0.15: J8.A150@59.675,292.05 59.675,292.675 59.627,292.723 59.627,293.178 v1(59.773,293.325)
  TopLayer w0.25: v1(57.025,308.425) L9.9@57.025,310
  BottomLayer w0.25: U40.1@56.715,309.335 57.025,309.025 v1(57.025,308.425) 56.743,308.143 56.743,304.209 59.65,301.301 59.65,293.448 v1(59.773,293.325)
ETH1B_TX_P: J8.A152 L9.8 U40.3 | length 23.3
  TopLayer w0.15: v1(59.09,293.325) 59.223,293.192 59.223,292.723 59.175,292.675 J8.A152@59.175,292.05
  TopLayer w0.25: v1(56.035,308.425) L9.8@56.035,310
  BottomLayer w0.25: U40.3@56.715,311.235 56,311.235 55.55,310.785 55.55,308.91 v1(56.035,308.425) 56.318,308.143 56.318,304.033 59.225,301.125 59.225,293.46 v1(59.09,293.325)
FPGA_CONFDONE: J8.A130 U7.1 | length 9
  TopLayer w0.15: U7.1@62.56,284.89 64.24,284.89 64.675,285.325 J8.A130@64.675,292.05
FPGA_CONFDONE_LED: R146.1 U7.2 | length 107.7
  TopLayer w0.15: U7.2@62.56,285.54 v1(63.84,285.54)
  MidLayer3 w0.15: v1(63.84,285.54) 64.85,286.55 64.85,291.325 68.25,294.725 68.25,296.25 69.32,297.32 79.67,297.32 80.65,298.3 80.65,300.9 82.225,302.475 83.2,302.475 129.336,302.475 130.495,303.634 130.495,317.678 133.2,320.383 133.2,326.775 v1(131.75,328.225)
  BottomLayer w0.15: R146.1@131.75,327.5 v1(131.75,328.225)
FPLLIN_N: C45.1 R56.1 U23.11 | length 6.2
  TopLayer w0.15: C45.1@173.725,274.15 173.725,274.8 173.85,274.925 173.85,276.15 R56.1@174.65,276.95 175.15,276.45 175.375,276.45 175.525,276.6 175.525,277.097 175.815,277.387 176.088,277.387 176.175,277.475 U23.11@176.7,277.475
FPLLIN_P: C46.1 R55.1 U23.12 | length 4.5
  TopLayer w0.15: C46.1@174.925,274.2 174.925,274.725 174.65,275 R55.1@174.65,275.6 175.175,276.125 175.51,276.125 175.85,276.465 175.85,276.962 175.95,277.062 176.088,277.062 176.175,276.975 U23.12@176.7,276.975
GEPAD: U23.17
  other v1: 177.675,277.25 178.625,277.25 177.675,278.2 178.625,278.2
GlobEn: J45.2 R331.2 R345.2